# KiCad board hoember_panel.kicad_pcb (continued)
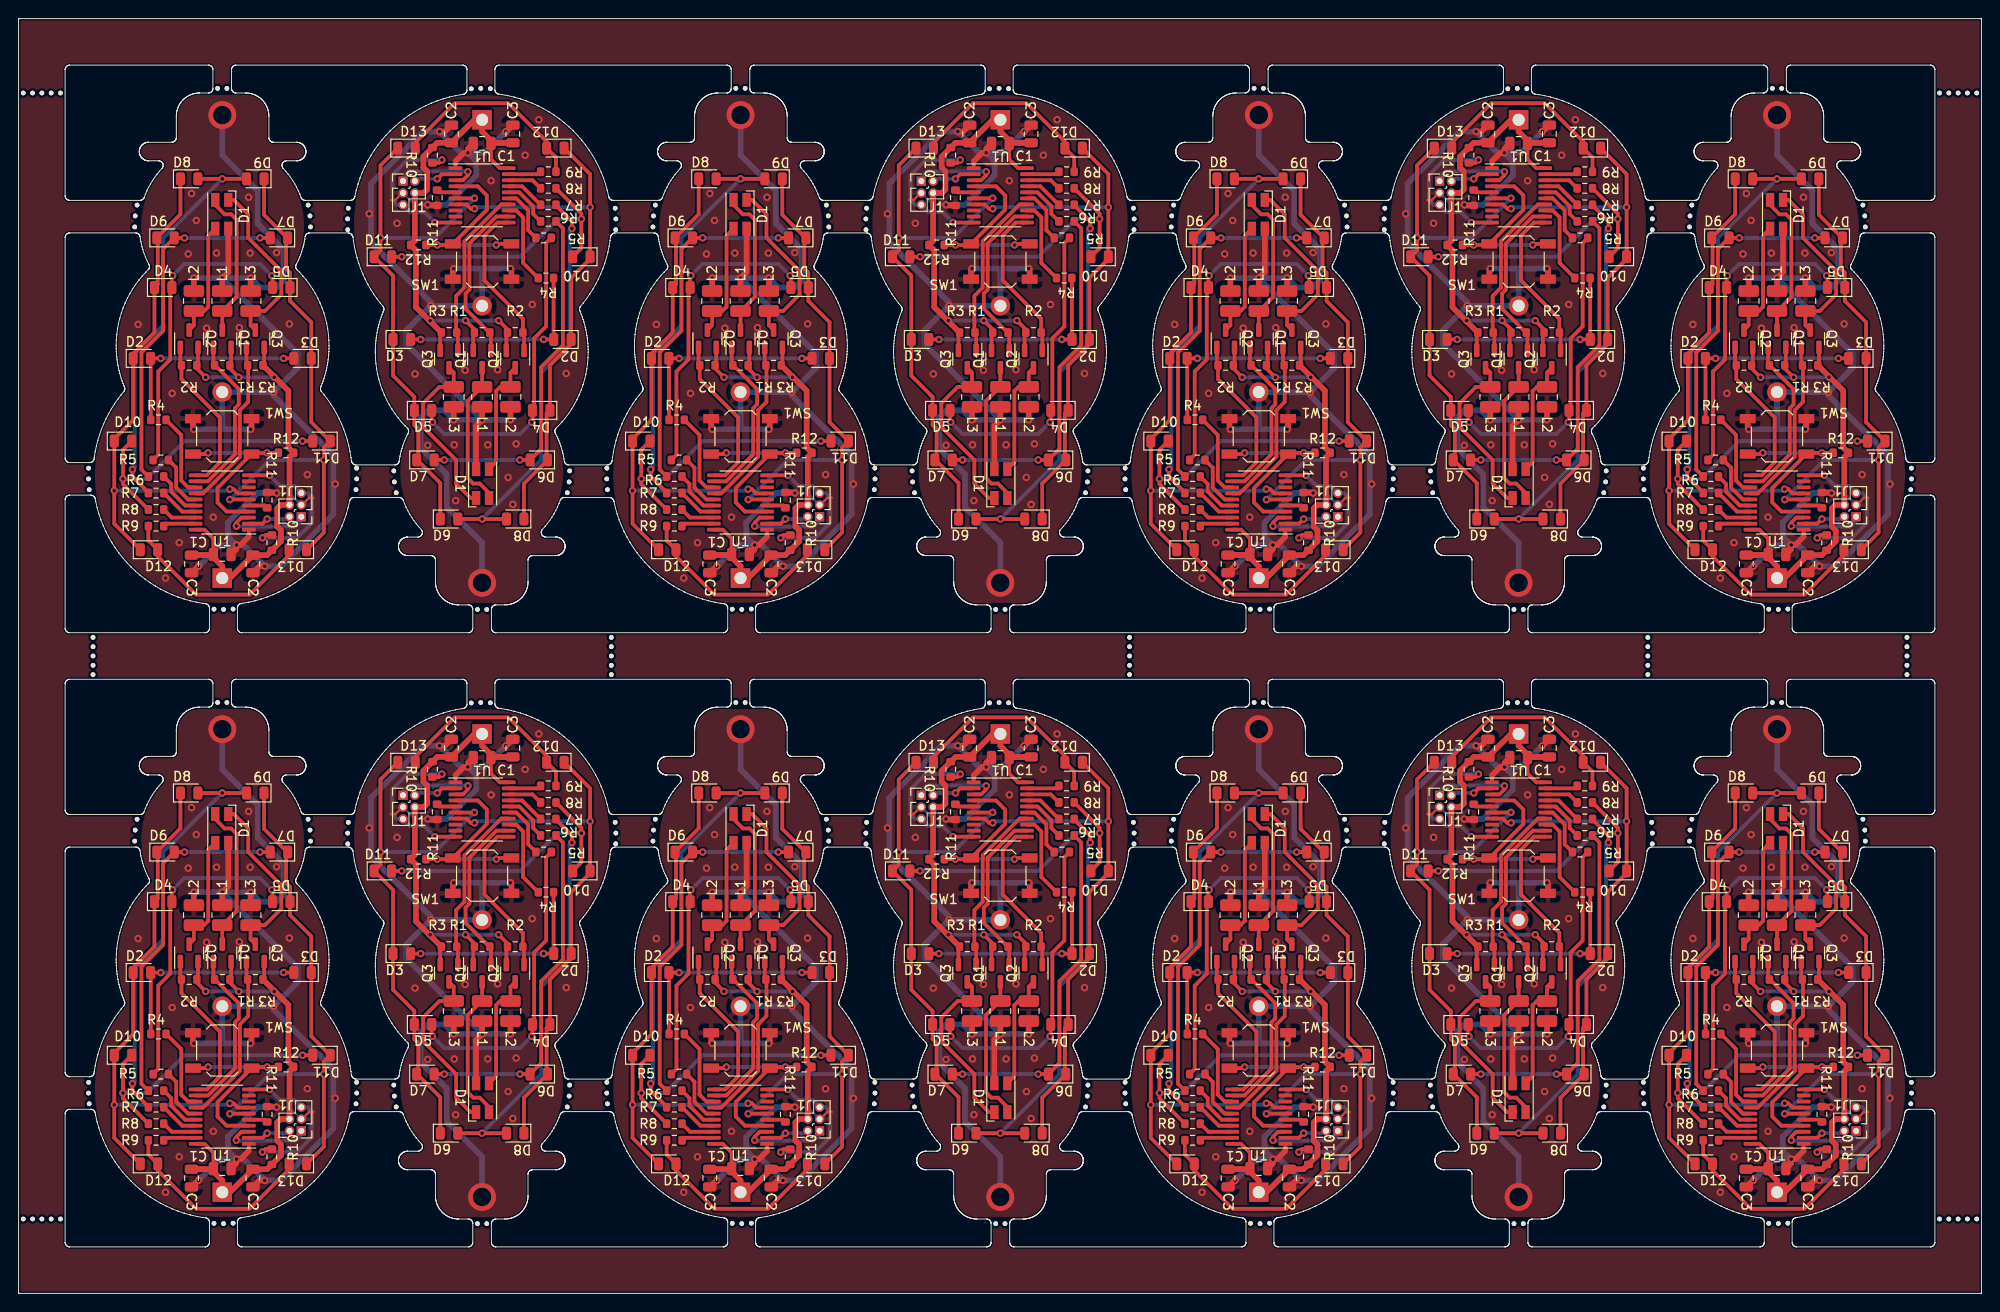
[diagram p0: board, top side]
## Routing (per net, layer and track width the routed paths; a pad name or vN(x,y) marks a point on that pad's centre or on a via; arc(x,y) is an arc through that point) (continued)
  Bottom w0.406: v1(94.6,47.46) 100.44,47.46 103.96,50.97 103.96,50.98 v1(104.7,51.72)
Board_10-/MPX2: length 59
  Top w0.406: D12#6.1 117.13,54.31 v1(117.13,50.76) D10#12.1 117.13,45.19 115.1,43.16 D2#13.1 115.1,36.03 112.81,33.75 D4#12.1 112.45,28.56 112.45,23.45 ; U1#8.7 103.84,51.05 104.3,50.59 v1(104.7,50.59) ; D8.1 110.02,21.04 D6#11.1
  Bottom w0.406: 104.79,50.5 v1(104.7,50.59) 104.87,50.76 v1(117.13,50.76)
Board_10-/nRST: length 17.6
  Top w0.406: v1(101.2,55.84) 100.89,55.52 R10#11.2 ; v1(100.44,49.1) U1#8.10
  Bottom w0.406: v1(100.44,49.1) 99.3,50.25 97.79,50.25 J1#3.5 96.37,51.02 95.87,51.52 95.87,54.21 97.5,55.84 v1(101.2,55.84)
Board_10-/R: length 17.3
  Top w0.406: Q2#3.1 110.03,37.15 R2#10.2 109.9,38.76 105.78,42.88 105.78,47.71 107.17,49.1 U1#8.11
Board_10-/SWC: length 9.6
  Top w0.406: U1#8.3 103.46,53.65 104,54.19 v1(104,54.57)
  Bottom w0.406: J1#3.1 97.02,53.94 97.69,54.61 103.96,54.61 v1(104,54.57)
Board_10-/SWD: length 4.7
  Top w0.406: U1#8.2 101.19,54.3 v1(100.7,53.81)
  Bottom w0.406: v1(100.7,53.81) 98.54,53.81 J1#3.2
Board_10-GND: length 131.7
  Top w0.254: J1#3.3 96.94,52.29 96.18,51.52 95.72,51.52
  Top w0.406: U1#8.1 102.66,55.7
  Top w0.61: C2#8.2 101.52,58.89 v1(100.95,58.89) ; 102.66,55.7 103.56,56.6 v1(104,56.6) 104,57.04 C1.1 ; SW1#12.2 108.67,44.05 v1(108.57,44.15) ; v1(99.68,51.01) 99.74,50.95 R11#3.1 ; L1#7.2 v1(105.52,27.9) 104.87,27.25 D1#13.1 ; L3#11.2 v1(102.47,27.9) ; 102.47,43.9 v1(102.47,44.15) 102.37,44.05 SW1#12.2 ; v1(108.06,58.89) 108.13,58.89 C3#14.2 ; L2#3.2 v1(108.57,27.9)
  Bottom w0.254: J1#3.3 97.03,52.29 98.31,51.01 v1(99.68,51.01)
  Bottom w0.61: v1(105.52,27.9) 97.39,36.03 97.39,37.55 v1(100,40.16) ; v1(104,56.6) 105.78,56.6 v1(108.06,58.89) ; v1(104,56.6) 103.24,56.6 v1(100.95,58.89) 99.17,58.89 93.58,53.3 93.58,50.25 v1(93.38,50.05) 93.58,49.84 93.58,46.95 100,40.53 v1(100,40.16) ; v1(104,56.6) 104.9,55.7 104.9,54.19 101.72,51.01 v1(99.68,51.01) ; v1(100,40.16) BT1#12.2 105.52,44.15 ; 105.52,44.15 v1(108.57,44.15) ; 105.52,44.15 v1(102.47,44.15) ; v2(105.51,10.37) 105.51,14.7 101.71,18.5 101.71,22.05 98.92,24.84 98.92,28.15 99.68,28.91 101.46,28.91 v1(102.47,27.9) v1(108.57,27.9)
  vias: v1(96.38,49.03) v1(98.31,32.83) v1(99.68,25.16) v1(102.53,25.21) v1(102.68,19.21) v1(103.69,33.23) v1(106.13,25.21) v1(106.49,53.6) v1(107.2,33.28) v1(108.32,21.7) v1(108.82,18.81) v1(109.18,25.31) v1(110.15,56.35) v1(110.91,40.29) v1(111.62,60.16) v1(114.57,32.88)
Board_10-Net-(D1-BK): length 16
  Top w0.406: Q1#3.3 L1#7.1 105.48,31.43 103.98,29.93 103.98,21.62 104.56,21.04 105.27,21.04 106.27,20.04 D1#13.4
Board_10-Net-(D1-GK): length 19.2
  Top w0.406: D1#13.3 104.28,19.49 102.73,21.04 102.73,23.58 99.17,27.14 99.17,29.68 100.93,31.43 L3#11.1 102.47,32.98 Q3#4.3
Board_10-Net-(D1-RK): length 12.7
  Top w0.406: D1#13.2 107.03,23.34 107.03,30.99 107.47,31.43 L2#3.1 108.57,32.98 Q2#3.3
Board_10-Net-(D2-A): length 22.4
  Top w0.406: R4#13.1 113.21,36.55 D2#13.2 ; D2#13.2 v1(112.13,36.53) 112.38,36.53 ; D2#13.2 113.14,36.61 ; D3#12.2 v1(98.92,36.53)
  Bottom w0.406: v1(112.13,36.53) v1(98.92,36.53)
Board_10-Net-(D4-A): length 33.8
  Top w0.406: D4#12.2 110.94,27.72 v1(110.86,27.64) ; D4#12.2 111.11,29.09 111.11,36.65 112.4,37.95 112.4,46.91 R5#3.1 ; D4#12.2 110.86,28.99 ; v1(100.19,27.64) 100.11,27.72 D5#13.2
  Bottom w0.406: v1(110.86,27.64) 109.59,26.37 101.46,26.37 v1(100.19,27.64)
Board_10-Net-(D6-A): length 38
  Top w0.406: 101.2,23.58 v1(101.46,23.58) D7#3.2 ; R6#10.1 114.21,48.49 114.21,35.9 111.87,33.56 111.87,24.77 D6#11.2 v1(109.59,23.58)
  Bottom w0.406: v1(109.59,23.58) v1(101.46,23.58)
Board_10-Net-(D8-A): length 43.8
  Top w0.406: v1(115.17,48.47) 115.17,49.23 113.4,51.01 R7#10.1 ; D9#11.2 v1(105.52,17.23) D8.2
  Bottom w0.406: v1(105.52,17.23) 111.87,23.58 111.87,32.98 114.92,36.03 114.92,48.22 v1(115.17,48.47)
Board_10-Net-(D10-A): length 31.2
  Top w0.406: R8#10.1 116.19,50.06 v1(116.19,49.49) 116.19,46.36 D10#12.2 ; D11#7.2 v1(96.89,45.42) 96.63,45.42
  Bottom w0.406: v1(116.19,49.49) 113.65,49.49 109.59,45.42 v1(96.89,45.42)
Board_10-Net-(D12-A): length 21.8
  Top w0.406: R9#12.1 113.46,56.11 D12#6.2 112.46,57.81 108.33,61.93 102.58,61.93 98.33,57.69 D13#11.2
Board_10-Net-(SW1A-A): length 21.5
  Top w0.406: v1(107.05,46.69) 107.17,46.82 SW1#12.1 ; R12#12.1 v1(100.7,46.69) 102.25,46.69 SW1#12.1 106.03,50.47 106.03,52.03 105.06,53 U1#8.4
  Bottom w0.406: v1(100.7,46.69) v1(107.05,46.69)
Board_10-Net-(U1-PB6/PF4-BOOT0): length 2.1
  Top w0.406: U1#8.5 100.94,52.35 R11#3.2
Board_10-VCC: length 58.1
  Top w0.406: Q1#3.2 104.57,37.15 R1#10.1 104.7,37.61 v1(103.74,38.57) ; v1(107.3,38.57) 108.25,37.61 R2#10.1 108.13,37.15 Q2#3.2 ; U1#8.20 107.42,54.95 106.47,55.9 C1.2 ; R3#3.1 101.02,37.15 Q3#4.2
  Top w0.61: C1.2 106.54,57.68 C3#14.1 106.73,57.68 105.52,58.89 BT1#12.1 104.69,60.16 C2#8.1 100.7,57.68 R10#11.1 99.21,56.19 99.21,55.02 99.62,54.62 99.62,52.65 99.25,52.29 98.55,52.29 ; 105.51,60.16 106.1,60.16 ; J1#3.4 98.29,47.15 R12#12.2 98.41,46.12 98.41,40.01 R3#3.1
  Bottom w0.406: v1(107.3,38.57) v1(99.93,38.57)
Board_11-/B: length 18.2
  Top w0.406: U1#2.12 131.76,21.28 134.66,24.18 134.66,29.14 135.07,29.56 135.07,31.2 132.51,33.76 R1#8.2 132.35,33.88 Q1#14.1
Board_11-/G: length 18.6
  Top w0.406: Q3#6.1 135.9,33.88 R3.2 136.09,33.69 136.09,29.82 135.19,28.92 135.19,23.94 131.23,19.98 U1#2.14
Board_11-/L1: length 9
  Top w0.406: U1#2.13 129.63,20.63 128.89,21.37 128.89,26.27 R4#5.2
Board_11-/L2: length 5.9
  Top w0.406: R5.2 128.34,22.75 128.34,20.62 129.63,19.33 U1#2.15
Board_11-/L3: length 5.2
  Top w0.406: U1#2.16 129.3,18.68 127.81,20.17 127.81,21 R6#7.2
Board_11-/L4: length 4.2
  Top w0.406: R7#6.2 129,18.03 U1#2.17
Board_11-/L5: length 3.8
  Top w0.406: R8#6.2 127.87,17.38 U1#2.18
Board_11-/L6: length 3.5
  Top w0.406: U1#2.19 127.27,16.73 R9#9.2
Board_11-/MPX1: length 58.3
  Top w0.406: v1(134.12,19.32) 134.14,19.33 U1#2.6 ; D5#4.1 140.58,40.67 142.87,38.39 D3#2.1 142.87,27.64 D11#3.1 144.22,24.93 144.22,15.78 D13#10.1 ; D5#4.1 140.58,43.71 140.15,44.14 140.15,47.28 D7#2.1 140.28,47.45 137.79,49.94 D9#12.1 ; D5#4.1 140.33,42.37
  Bottom w0.406: v1(144.22,23.58) 138.38,23.58 134.86,20.06 134.86,20.06 v1(134.12,19.32)
Board_11-/MPX2: length 59
  Top w0.406: D8#3.1 128.8,49.99 D6#12.1 ; U1#2.7 134.98,19.98 134.52,20.44 v1(134.11,20.44) ; D12#7.1 121.69,16.72 v1(121.69,20.28) D10.1 121.69,25.84 123.72,27.87 D2#10.1 123.72,35 126.01,37.29 D4#2.1 126.36,42.48 126.36,47.58
  Bottom w0.406: v1(121.69,20.28) 133.95,20.28 v1(134.11,20.44) 134.03,20.53
Board_11-/nRST: length 17.6
  Top w0.406: R10#9.2 137.93,15.51 v1(137.61,15.2) ; v1(138.38,21.93) U1#2.10
  Bottom w0.406: v1(137.61,15.2) 141.32,15.2 142.95,16.82 142.95,19.51 142.44,20.02 J1#11.5 141.03,20.78 139.52,20.78 v1(138.38,21.93)
Board_11-/R: length 17.3
  Top w0.406: U1#2.11 131.65,21.93 133.04,23.32 133.04,28.15 128.91,32.28 R2#11.2 128.79,33.88 Q2.1
Board_11-/SWC: length 9.6
  Top w0.406: v1(134.82,16.47) 134.82,16.84 135.36,17.38 U1#2.3
  Bottom w0.406: J1#11.1 141.79,17.09 141.13,16.42 134.86,16.42 v1(134.82,16.47)
Board_11-/SWD: length 4.7
  Top w0.406: U1#2.2 137.62,16.73 v1(138.12,17.23)
  Bottom w0.406: J1#11.2 140.28,17.23 v1(138.12,17.23)
Board_11-GND: length 131.7
  Top w0.254: 143.1,19.51 142.64,19.51 141.88,18.75 J1#11.3
  Top w0.406: U1#2.1 136.16,15.33
  Top w0.61: v1(130.76,12.15) 130.69,12.15 C3#11.2 ; C1#11.1 134.82,13.99 v1(134.82,14.43) 135.26,14.43 136.16,15.33 ; 136.34,27.13 v1(136.34,26.88) 136.45,26.98 SW1#2.2 ; SW1#2.2 130.15,26.98 v1(130.25,26.88) ; v1(139.14,20.02) 139.07,20.08 R11#12.1 ; L1#10.2 v1(133.3,43.14) 133.94,43.78 D1#9.1 ; C2#7.2 137.29,12.15 v1(137.87,12.15) ; L2#10.2 v1(130.25,43.14) ; L3#5.2 v1(136.34,43.14)
  Bottom w0.254: v1(139.14,20.02) 140.51,20.02 141.78,18.75 J1#11.3
  Bottom w0.61: v1(130.25,26.88) 133.3,26.88 ; 133.3,26.88 v1(136.34,26.88) ; 133.3,26.88 BT1#8.2 v1(138.82,30.88) ; v1(130.25,43.14) v1(136.34,43.14) 137.36,42.12 139.14,42.12 139.9,42.88 139.9,46.19 137.11,48.99 137.11,52.53 133.3,56.34 v2(133.3,60.66) ; v1(138.82,30.88) 141.42,33.48 141.42,35.01 v1(133.3,43.14) ; v1(138.82,30.88) 138.82,30.5 145.23,24.09 145.23,21.19 v1(145.44,20.99) 145.23,20.78 145.23,17.74 139.65,12.15 v1(137.87,12.15) 135.58,14.43 v1(134.82,14.43) ; v1(134.82,14.43) 133.91,15.34 133.91,16.84 137.1,20.02 v1(139.14,20.02) ; v1(134.82,14.43) 133.04,14.43 v1(130.76,12.15)
  vias: v1(124.25,38.16) v1(127.2,10.88) v1(127.91,30.74) v1(128.67,14.69) v1(129.64,45.73) v1(129.99,52.23) v1(130.5,49.33) v1(131.62,37.75) v1(132.33,17.43) v1(132.69,45.83) v1(135.12,37.8) v1(136.14,51.82) v1(136.29,45.83) v1(139.14,45.88) v1(140.51,38.21) v1(142.44,22)
Board_11-Net-(D1-BK): length 16
  Top w0.406: D1#9.4 132.54,51 133.55,49.99 134.26,49.99 134.84,49.41 134.84,41.1 133.34,39.6 L1#10.1 Q1#14.3
Board_11-Net-(D1-GK): length 19.2
  Top w0.406: Q3#6.3 136.34,38.06 L3#5.1 137.89,39.6 139.65,41.36 139.65,43.9 136.09,47.45 136.09,49.99 134.54,51.54 D1#9.3
Board_11-Net-(D1-RK): length 12.7
  Top w0.406: Q2.3 130.25,38.06 L2#10.1 131.35,39.6 131.79,40.04 131.79,47.69 D1#9.2
Board_11-Net-(D2-A): length 22.4
  Top w0.406: R4#5.1 125.61,34.48 D2#10.2 ; D3#2.2 v1(139.9,34.5) ; 125.68,34.42 D2#10.2 ; D2#10.2 v1(126.69,34.5) 126.44,34.5
  Bottom w0.406: v1(126.69,34.5) v1(139.9,34.5)
Board_11-Net-(D4-A): length 33.8
  Top w0.406: D5#4.2 138.71,43.31 v1(138.63,43.39) ; D4#2.2 127.88,43.31 v1(127.96,43.39) ; D4#2.2 127.71,41.94 127.71,34.38 126.42,33.09 126.42,24.13 R5.1 ; D4#2.2 127.96,42.04
  Bottom w0.406: v1(138.63,43.39) 137.36,44.66 129.23,44.66 v1(127.96,43.39)
Board_11-Net-(D6-A): length 38
  Top w0.406: 137.61,47.45 v1(137.36,47.45) D7#2.2 ; v1(129.23,47.45) D6#12.2 126.95,46.26 126.95,37.47 124.61,35.14 124.61,22.55 R6#7.1
  Bottom w0.406: v1(129.23,47.45) v1(137.36,47.45)
Board_11-Net-(D8-A): length 43.8
  Top w0.406: R7#6.1 125.42,20.02 123.64,21.8 v1(123.64,22.56) ; D8#3.2 v1(133.3,53.8) D9#12.2
  Bottom w0.406: v1(133.3,53.8) 126.95,47.45 126.95,38.06 123.9,35.01 123.9,22.82 v1(123.64,22.56)
Board_11-Net-(D10-A): length 31.2
  Top w0.406: D10.2 122.63,24.67 v1(122.63,21.55) 122.63,20.97 R8#6.1 ; 142.19,25.61 v1(141.93,25.61) D11#3.2
  Bottom w0.406: v1(122.63,21.55) 125.17,21.55 129.23,25.61 v1(141.93,25.61)
Board_11-Net-(D12-A): length 21.8
  Top w0.406: R9#9.1 125.36,14.93 D12#7.2 126.36,13.23 130.48,9.1 136.24,9.1 140.49,13.34 D13#10.2
Board_11-Net-(SW1A-A): length 21.5
  Top w0.406: U1#2.4 133.76,18.03 132.79,19.01 132.79,20.56 SW1#2.1 136.57,24.34 v1(138.12,24.34) R12#3.1 ; SW1#2.1 131.65,24.22 v1(131.77,24.34)
  Bottom w0.406: v1(138.12,24.34) v1(131.77,24.34)
Board_11-Net-(U1-PB6/PF4-BOOT0): length 2.1
  Top w0.406: R11#12.2 137.88,18.68 U1#2.5
Board_11-VCC: length 58.1
  Top w0.406: U1#2.20 131.39,16.08 132.35,15.13 C1#11.2 ; v1(135.07,32.47) 134.12,33.42 R1#8.1 134.25,33.88 Q1#14.2 ; v1(131.52,32.47) 130.56,33.42 R2#11.1 130.69,33.88 Q2.2 ; Q3#6.2 137.8,33.88 R3.1
  Top w0.61: 140.27,18.75 139.56,18.75 139.2,18.39 139.2,16.42 139.61,16.01 139.61,14.84 R10#9.1 138.12,13.35 C2#7.1 134.12,10.88 BT1#8.1 133.3,12.15 132.09,13.35 C3#11.1 132.28,13.35 C1#11.2 ; R3.1 140.41,31.03 140.41,24.91 R12#3.2 140.52,23.89 J1#11.4 ; 133.3,10.88 132.72,10.88
  Bottom w0.406: v1(131.52,32.47) v1(138.88,32.47)
Board_12-/B: length 18.2
  Top w0.406: Q1#7.1 162.18,37.15 R1#6.2 162.01,37.28 159.45,39.84 159.45,41.48 159.86,41.89 159.86,46.85 162.76,49.75 U1#9.12
Board_12-/G: length 18.6
  Top w0.406: U1#9.14 163.29,51.05 159.33,47.1 159.33,42.11 158.43,41.22 158.43,37.34 R3#5.2 158.62,37.15 Q3#12.1
Board_12-/L1: length 9
  Top w0.406: U1#9.13 164.89,50.4 165.63,49.66 165.63,44.77 R4#14.2
Board_12-/L2: length 5.9
  Top w0.406: U1#9.15 164.89,51.7 166.18,50.42 166.18,48.28 R5#9.2
Board_12-/L3: length 5.2
  Top w0.406: U1#9.16 165.22,52.35 166.71,50.86 166.71,50.04 R6#6.2
Board_12-/L4: length 4.2
  Top w0.406: U1#9.17 165.52,53 R7.2
Board_12-/L5: length 3.8
  Top w0.406: R8#3.2 166.65,53.65 U1#9.18
Board_12-/L6: length 3.5
  Top w0.406: U1#9.19 167.25,54.3 R9#8.2
Board_12-/MPX1: length 58.3
  Top w0.406: D5#6.1 153.94,27.32 154.37,26.89 154.37,23.76 D7#12.1 154.24,23.58 156.73,21.09 D9#3.1 ; D5#6.1 154.19,28.66 ; D5#6.1 153.94,30.36 151.65,32.65 D3#9.1 151.65,43.39 D11#13.1 150.31,46.11 150.31,55.25 D13#4.1 ; v1(160.4,51.72) 160.39,51.7 U1#9.6
  Bottom w0.406: v1(150.31,47.46) 156.14,47.46 159.66,50.97 159.66,50.98 v1(160.4,51.72)
Board_12-/MPX2: length 59
  Top w0.406: v1(160.41,50.59) 160,50.59 159.54,51.05 U1#9.7 ; 168.16,23.45 168.16,28.56 D4#4.1 168.51,33.75 170.8,36.03 D2#8.1 170.8,43.16 172.83,45.19 D10#7.1 v1(172.83,50.76) 172.83,54.31 D12#3.1 ; D6#13.1 165.72,21.04 D8#4.1
  Bottom w0.406: 160.5,50.5 v1(160.41,50.59) 160.58,50.76 v1(172.83,50.76)
Board_12-/nRST: length 17.6
  Top w0.406: v1(156.91,55.84) 156.59,55.52 R10#7.2 ; v1(156.15,49.1) U1#9.10
  Bottom w0.406: v1(156.15,49.1) 155,50.25 153.5,50.25 J1#6.5 152.08,51.02 151.58,51.52 151.58,54.21 153.2,55.84 v1(156.91,55.84)
Board_12-/R: length 17.3
  Top w0.406: U1#9.11 162.87,49.1 161.48,47.71 161.48,42.88 165.61,38.76 R2#7.2 165.73,37.15 Q2#10.1
Board_12-/SWC: length 9.6
  Top w0.406: U1#9.3 159.17,53.65 159.7,54.19 v1(159.7,54.57)
  Bottom w0.406: v1(159.7,54.57) 159.66,54.61 153.39,54.61 152.73,53.94 J1#6.1
Board_12-/SWD: length 4.7
  Top w0.406: v1(156.4,53.81) 156.9,54.3 U1#9.2
  Bottom w0.406: v1(156.4,53.81) 154.25,53.81 J1#6.2
Board_12-GND: length 131.7
  Top w0.254: 151.42,51.52 151.88,51.52 152.65,52.29 J1#6.3
  Top w0.406: U1#9.1 158.36,55.7
  Top w0.61: L1#9.2 v1(161.23,27.9) 160.58,27.25 D1#8.1 ; C1#3.1 159.7,57.04 v1(159.7,56.6) 159.26,56.6 158.36,55.7 ; L3#3.2 v1(158.18,27.9) ; SW1#8.2 164.38,44.05 v1(164.28,44.15) ; C3#2.2 163.83,58.89 v1(163.77,58.89) ; SW1#8.2 158.08,44.05 v1(158.18,44.15) 158.18,43.9 ; L2#2.2 v1(164.28,27.9) ; C2#14.2 157.23,58.89 v1(156.66,58.89) ; R11#9.1 155.45,50.95 v1(155.39,51.01)
  Bottom w0.254: J1#6.3 152.74,52.29 154.01,51.01 v1(155.39,51.01)
  Bottom w0.61: v1(159.7,56.6) 161.48,56.6 v1(163.77,58.89) ; v1(159.7,56.6) 160.61,55.7 160.61,54.19 157.43,51.01 v1(155.39,51.01) ; v1(159.7,56.6) 158.94,56.6 v1(156.66,58.89) 154.88,58.89 149.29,53.3 149.29,50.25 v1(149.09,50.05) 149.29,49.84 149.29,46.95 155.71,40.53 v1(155.71,40.16) ; v1(155.71,40.16) BT1.2 161.23,44.15 ; v1(155.71,40.16) 153.1,37.55 153.1,36.03 v1(161.23,27.9) ; 161.23,44.15 v1(158.18,44.15) ; 161.23,44.15 v1(164.28,44.15) ; v1(164.28,27.9) v1(158.18,27.9) 157.16,28.91 155.39,28.91 154.62,28.15 154.62,24.84 157.42,22.05 157.42,18.5 161.22,14.7 v2(161.22,10.37)
  vias: v1(152.08,49.03) v1(154.01,32.83) v1(155.39,25.16) v1(158.23,25.21) v1(158.38,19.21) v1(159.4,33.23) v1(161.84,25.21) v1(162.19,53.6) v1(162.9,33.28) v1(164.02,21.7) v1(164.53,18.81) v1(164.88,25.31) v1(165.85,56.35) v1(166.61,40.29) v1(167.32,60.16) v1(170.27,32.88)
Board_12-Net-(D1-BK): length 16
  Top w0.406: D1#8.4 161.98,20.04 160.97,21.04 160.26,21.04 159.68,21.62 159.68,29.93 161.19,31.43 L1#9.1 Q1#7.3
Board_12-Net-(D1-GK): length 19.2
  Top w0.406: D1#8.3 159.98,19.49 158.43,21.04 158.43,23.58 154.88,27.14 154.88,29.68 156.64,31.43 L3#3.1 158.18,32.98 Q3#12.3
Board_12-Net-(D1-RK): length 12.7
  Top w0.406: Q2#10.3 164.28,32.98 L2#2.1 163.18,31.43 162.73,30.99 162.73,23.34 D1#8.2
Board_12-Net-(D2-A): length 22.4
  Top w0.406: 168.09,36.53 v1(167.83,36.53) D2#8.2 ; D2#8.2 168.91,36.55 R4#14.1 ; D2#8.2 168.85,36.61 ; D3#9.2 v1(154.62,36.53)
  Bottom w0.406: v1(167.83,36.53) v1(154.62,36.53)
Board_12-Net-(D4-A): length 33.8
  Top w0.406: D4#4.2 166.64,27.72 v1(166.56,27.64) ; D4#4.2 166.82,29.09 166.82,36.65 168.11,37.95 168.11,46.91 R5#9.1 ; D4#4.2 166.56,28.99 ; D5#6.2 155.81,27.72 v1(155.89,27.64)
  Bottom w0.406: v1(166.56,27.64) 165.29,26.37 157.16,26.37 v1(155.89,27.64)
Board_12-Net-(D6-A): length 38
  Top w0.406: R6#6.1 169.91,48.49 169.91,35.9 167.58,33.56 167.58,24.77 D6#13.2 v1(165.29,23.58) ; 156.91,23.58 v1(157.16,23.58) D7#12.2
  Bottom w0.406: v1(165.29,23.58) v1(157.16,23.58)
Board_12-Net-(D8-A): length 43.8
  Top w0.406: D8#4.2 v1(161.23,17.23) D9#3.2 ; R7.1 169.1,51.01 170.88,49.23 v1(170.88,48.47)
  Bottom w0.406: v1(170.88,48.47) 170.63,48.22 170.63,36.03 167.58,32.98 167.58,23.58 v1(161.23,17.23)
Board_12-Net-(D10-A): length 31.2
  Top w0.406: R8#3.1 171.9,50.06 v1(171.9,49.49) 171.9,46.36 D10#7.2 ; D11#13.2 v1(152.59,45.42) 152.34,45.42
  Bottom w0.406: v1(152.59,45.42) 165.29,45.42 169.36,49.49 v1(171.9,49.49)
Board_12-Net-(D12-A): length 21.8
  Top w0.406: R9#8.1 169.16,56.11 D12#3.2 168.16,57.81 164.04,61.93 158.28,61.93 154.04,57.69 D13#4.2
Board_12-Net-(SW1A-A): length 21.5
  Top w0.406: SW1#8.1 162.87,46.82 v1(162.75,46.69) ; U1#9.4 160.76,53 161.74,52.03 161.74,50.47 SW1#8.1 157.96,46.69 v1(156.4,46.69) R12#6.1
  Bottom w0.406: v1(156.4,46.69) v1(162.75,46.69)
Board_12-Net-(U1-PB6/PF4-BOOT0): length 2.1
  Top w0.406: R11#9.2 156.65,52.35 U1#9.5
Board_12-VCC: length 58.1
  Top w0.406: C1#3.2 162.18,55.9 163.13,54.95 U1#9.20 ; Q2#10.2 163.83,37.15 R2#7.1 163.96,37.61 v1(163.01,38.57) ; Q3#12.2 156.72,37.15 R3#5.1 ; Q1#7.2 160.28,37.15 R1#6.1 160.4,37.61 v1(159.45,38.57)
  Top w0.61: J1#6.4 154,47.15 R12#6.2 154.12,46.12 154.12,40.01 R3#5.1 ; C1#3.2 162.24,57.68 C3#2.1 162.43,57.68 161.23,58.89 BT1.1 160.4,60.16 C2#14.1 156.4,57.68 R10#7.1 154.91,56.19 154.91,55.02 155.32,54.62 155.32,52.65 154.96,52.29 154.25,52.29 ; 161.22,60.16 161.8,60.16
  Bottom w0.406: v1(163.01,38.57) v1(155.64,38.57)
Board_13-/B: length 18.2
  Top w0.406: U1#4.12 187.46,21.28 190.36,24.18 190.36,29.14 190.78,29.56 190.78,31.2 188.22,33.76 R1#13.2 188.05,33.88 Q1#2.1
Board_13-/G: length 18.6
  Top w0.406: Q3#10.1 191.61,33.88 R3#6.2 191.79,33.69 191.79,29.82 190.9,28.92 190.9,23.94 186.94,19.98 U1#4.14
Board_13-/L1: length 9
  Top w0.406: R4#3.2 184.6,26.27 184.6,21.37 185.34,20.63 U1#4.13
Board_13-/L2: length 5.9
  Top w0.406: R5#8.2 184.05,22.75 184.05,20.62 185.34,19.33 U1#4.15
Board_13-/L3: length 5.2
  Top w0.406: R6#4.2 183.52,21 183.52,20.17 185.01,18.68 U1#4.16
Board_13-/L4: length 4.2
  Top w0.406: U1#4.17 184.7,18.03 R7#12.2
Board_13-/L5: length 3.8
  Top w0.406: R8#2.2 183.58,17.38 U1#4.18
Board_13-/L6: length 3.5
  Top w0.406: U1#4.19 182.98,16.73 R9#5.2
Board_13-/MPX1: length 58.3
  Top w0.406: D13#12.1 199.92,15.78 199.92,24.93 D11#6.1 198.57,27.64 D3#3.1 198.57,38.39 196.29,40.67 D5#8.1 ; D9#4.1 193.49,49.94 195.98,47.45 D7#8.1 195.86,47.28 195.86,44.14 196.29,43.71 D5#8.1 ; v1(189.82,19.32) 189.84,19.33 U1#4.6 ; D5#8.1 196.03,42.37
  Bottom w0.406: v1(199.92,23.58) 194.08,23.58 190.56,20.06 190.56,20.06 v1(189.82,19.32)
Board_13-/MPX2: length 59
  Top w0.406: D12#13.1 177.39,16.72 v1(177.39,20.28) D10#11.1 177.39,25.84 179.43,27.87 D2#9.1 179.43,35 181.71,37.29 D4#11.1 182.07,42.48 182.07,47.58 ; D6#14.1 184.51,49.99 D8#5.1 ; U1#4.7 190.68,19.98 190.22,20.44 v1(189.82,20.44)
  Bottom w0.406: 189.73,20.53 v1(189.82,20.44) 189.65,20.28 v1(177.39,20.28)
Board_13-/nRST: length 17.6
  Top w0.406: R10#4.2 193.63,15.51 v1(193.32,15.2) ; v1(194.08,21.93) U1#4.10
  Bottom w0.406: v1(194.08,21.93) 195.23,20.78 196.73,20.78 J1#2.5 198.15,20.02 198.65,19.51 198.65,16.82 197.02,15.2 v1(193.32,15.2)
Board_13-/R: length 17.3
  Top w0.406: Q2#11.1 184.49,33.88 R2#6.2 184.62,32.28 188.75,28.15 188.75,23.32 187.35,21.93 U1#4.11
Board_13-/SWC: length 9.6
  Top w0.406: v1(190.52,16.47) 190.52,16.84 191.06,17.38 U1#4.3
  Bottom w0.406: J1#2.1 197.5,17.09 196.83,16.42 190.56,16.42 v1(190.52,16.47)
Board_13-/SWD: length 4.7
  Top w0.406: U1#4.2 193.33,16.73 v1(193.83,17.23)
  Bottom w0.406: J1#2.2 195.98,17.23 v1(193.83,17.23)
Board_13-GND: length 131.7
  Top w0.254: J1#2.3 197.58,18.75 198.35,19.51 198.8,19.51
  Top w0.406: U1#4.1 191.86,15.33
  Top w0.61: v1(194.84,20.02) 194.78,20.08 R11#8.1 ; L1#6.2 v1(189,43.14) 189.65,43.78 D1#12.1 ; SW1#13.2 185.85,26.98 v1(185.95,26.88) ; SW1#13.2 192.15,26.98 v1(192.05,26.88) 192.05,27.13 ; 191.86,15.33 190.97,14.43 v1(190.52,14.43) 190.52,13.99 C1#6.1 ; C3#3.2 186.39,12.15 v1(186.46,12.15) ; L3#6.2 v1(192.05,43.14) ; C2#10.2 193,12.15 v1(193.57,12.15) ; L2#5.2 v1(185.95,43.14)
  Bottom w0.254: v1(194.84,20.02) 196.21,20.02 197.49,18.75 J1#2.3
  Bottom w0.61: 189,26.88 v1(192.05,26.88) ; 189,26.88 BT1#7.2 v1(194.52,30.88) ; 189,26.88 v1(185.95,26.88) ; v1(190.52,14.43) 189.62,15.34 189.62,16.84 192.8,20.02 v1(194.84,20.02) ; v1(190.52,14.43) 188.75,14.43 v1(186.46,12.15) ; v1(190.52,14.43) 191.29,14.43 v1(193.57,12.15) 195.35,12.15 200.94,17.74 200.94,20.78 v1(201.14,20.99) 200.94,21.19 200.94,24.09 194.52,30.5 v1(194.52,30.88) ; v1(194.52,30.88) 197.13,33.48 197.13,35.01 v1(189,43.14) ; v2(189.01,60.66) 189.01,56.34 192.81,52.53 192.81,48.99 195.6,46.19 195.6,42.88 194.84,42.12 193.06,42.12 v1(192.05,43.14) v1(185.95,43.14)
  vias: v1(179.96,38.16) v1(182.9,10.88) v1(183.61,30.74) v1(184.38,14.69) v1(185.34,45.73) v1(185.7,52.23) v1(186.21,49.33) v1(187.32,37.75) v1(188.03,17.43) v1(188.39,45.83) v1(190.83,37.8) v1(191.84,51.82) v1(192,45.83) v1(194.84,45.88) v1(196.21,38.21) v1(198.14,22)
Board_13-Net-(D1-BK): length 16
  Top w0.406: D1#12.4 188.25,51 189.25,49.99 189.96,49.99 190.54,49.41 190.54,41.1 189.04,39.6 L1#6.1 Q1#2.3
Board_13-Net-(D1-GK): length 19.2
  Top w0.406: D1#12.3 190.24,51.54 191.79,49.99 191.79,47.45 195.35,43.9 195.35,41.36 193.59,39.6 L3#6.1 192.05,38.06 Q3#10.3
Board_13-Net-(D1-RK): length 12.7
  Top w0.406: Q2#11.3 185.95,38.06 L2#5.1 187.05,39.6 187.5,40.04 187.5,47.69 D1#12.2
Board_13-Net-(D2-A): length 22.4
  Top w0.406: D3#3.2 v1(195.6,34.5) ; D2#9.2 181.32,34.48 R4#3.1 ; D2#9.2 181.38,34.42 ; D2#9.2 v1(182.4,34.5) 182.14,34.5
  Bottom w0.406: v1(182.4,34.5) v1(195.6,34.5)
Board_13-Net-(D4-A): length 33.8
  Top w0.406: D4#11.2 183.41,41.94 183.41,34.38 182.12,33.09 182.12,24.13 R5#8.1 ; D4#11.2 183.67,42.04 ; D4#11.2 183.59,43.31 v1(183.67,43.39) ; v1(194.33,43.39) 194.41,43.31 D5#8.2
  Bottom w0.406: v1(183.67,43.39) 184.94,44.66 193.06,44.66 v1(194.33,43.39)
Board_13-Net-(D6-A): length 38
  Top w0.406: R6#4.1 180.32,22.55 180.32,35.14 182.65,37.47 182.65,46.26 D6#14.2 v1(184.94,47.45) ; 193.32,47.45 v1(193.06,47.45) D7#8.2
  Bottom w0.406: v1(184.94,47.45) v1(193.06,47.45)
Board_13-Net-(D8-A): length 43.8
  Top w0.406: R7#12.1 181.13,20.02 179.35,21.8 v1(179.35,22.56) ; D9#4.2 v1(189,53.8) D8#5.2
  Bottom w0.406: v1(189,53.8) 182.65,47.45 182.65,38.06 179.6,35.01 179.6,22.82 v1(179.35,22.56)
Board_13-Net-(D10-A): length 31.2
  Top w0.406: 197.89,25.61 v1(197.64,25.61) D11#6.2 ; D10#11.2 178.33,24.67 v1(178.33,21.55) 178.33,20.97 R8#2.1
  Bottom w0.406: v1(178.33,21.55) 180.87,21.55 184.94,25.61 v1(197.64,25.61)
Board_13-Net-(D12-A): length 21.8
  Top w0.406: R9#5.1 181.06,14.93 D12#13.2 182.06,13.23 186.19,9.1 191.95,9.1 196.19,13.34 D13#12.2
Board_13-Net-(SW1A-A): length 21.5
  Top w0.406: SW1#13.1 187.35,24.22 v1(187.48,24.34) ; U1#4.4 189.47,18.03 188.49,19.01 188.49,20.56 SW1#13.1 192.27,24.34 v1(193.83,24.34) R12#7.1
  Bottom w0.406: v1(193.83,24.34) v1(187.48,24.34)
Board_13-Net-(U1-PB6/PF4-BOOT0): length 2.1
  Top w0.406: U1#4.5 193.58,18.68 R11#8.2
Board_13-VCC: length 58.1
  Top w0.406: Q3#10.2 193.51,33.88 R3#6.1 ; v1(190.78,32.47) 189.82,33.42 R1#13.1 189.95,33.88 Q1#2.2 ; Q2#11.2 186.39,33.88 R2#6.1 186.27,33.42 v1(187.22,32.47) ; C1#6.2 188.05,15.13 187.1,16.08 U1#4.20
  Top w0.61: J1#2.4 196.23,23.89 R12#7.2 196.11,24.91 196.11,31.03 R3#6.1 ; 189.01,10.88 188.43,10.88 ; C1#6.2 187.98,13.35 C3#3.1 187.8,13.35 189,12.15 BT1#7.1 189.83,10.88 C2#10.1 193.82,13.35 R10#4.1 195.31,14.84 195.31,16.01 194.91,16.42 194.91,18.39 195.27,18.75 195.97,18.75
  Bottom w0.406: v1(187.22,32.47) v1(194.59,32.47)

## Copper pours and planes (outline as drawn; the poured copper is in the pictures)
(no net) on Top: 0.01,0 210.96,0 210.97,0.01 210.97,137.06 210.96,137.07 0.01,137.07 0,137.06 0,0.01 ; 14 cut-outs
(no net) on Top: 0.01,0 210.96,0 210.97,0.01 210.97,137.06 210.96,137.07 0.01,137.07 0,137.06 0,0.01 ; 14 cut-outs
(no net) on Bottom: 0.01,0 210.96,0 210.97,0.01 210.97,137.06 210.96,137.07 0.01,137.07 0,137.06 0,0.01 ; 14 cut-outs
(no net) on Bottom: 0.01,0 210.96,0 210.97,0.01 210.97,137.06 210.96,137.07 0.01,137.07 0,137.06 0,0.01 ; 14 cut-outs
Board_0-GND on Top, Bottom: -8.16,142.42 51.84,142.42 51.84,62.42 -8.16,62.42
Board_1-GND on Top, Bottom: 79.87,60.69 19.87,60.69 19.87,140.69 79.87,140.69
Board_2-GND on Top, Bottom: 47.54,142.42 107.54,142.42 107.54,62.42 47.54,62.42
Board_3-GND on Top, Bottom: 135.57,60.69 75.57,60.69 75.57,140.69 135.57,140.69
Board_4-GND on Top, Bottom: 103.25,142.42 163.25,142.42 163.25,62.42 103.25,62.42
Board_5-GND on Top, Bottom: 191.28,60.69 131.28,60.69 131.28,140.69 191.28,140.69
Board_6-GND on Top, Bottom: 158.95,142.42 218.95,142.42 218.95,62.42 158.95,62.42
Board_7-GND on Top, Bottom: -8.16,76.38 51.84,76.38 51.84,-3.62 -8.16,-3.62
Board_8-GND on Top, Bottom: 79.87,-5.35 19.87,-5.35 19.87,74.65 79.87,74.65
Board_9-GND on Top, Bottom: 47.54,76.38 107.54,76.38 107.54,-3.62 47.54,-3.62
